# Altium PCB PC104_M7_4L.PcbDoc (part 1 of 3) (continued)
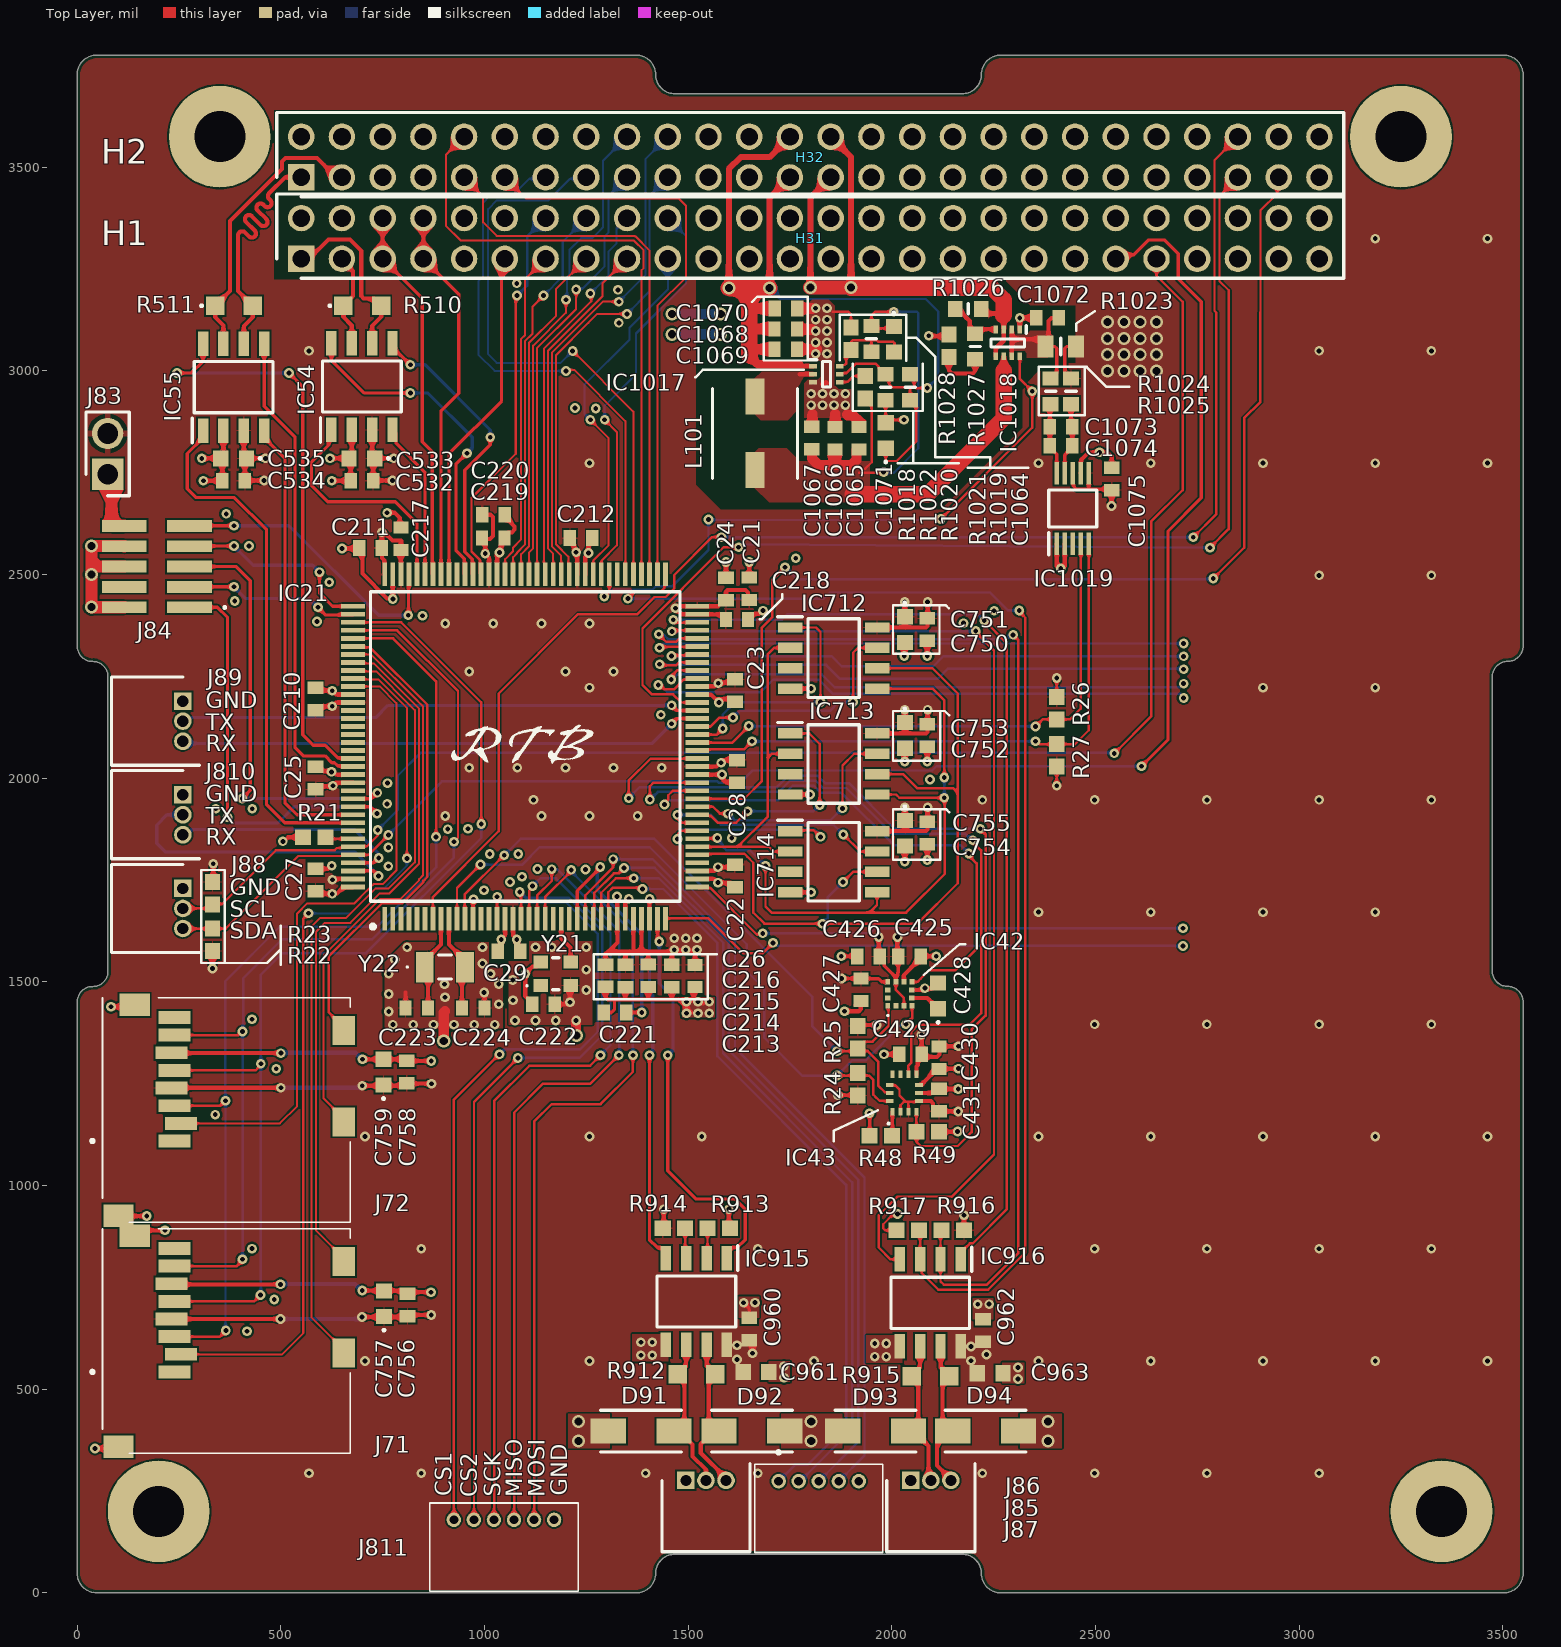
[diagram p0: Top Layer view]
## Components (designator, comment, footprint, x,y, rotation, side; value= is the part's Value field where it differs from the comment) (continued)
C1071 "0.01uF" C0603 1985.24,2841.54 r90 top (schematic designator C71)
C1072 "100nF" CAPC1608X95N 2382.87,3130.91 r180 top (schematic designator C72)
C1073 "100nF" CAPC1608X95N 2415.68,2863.03 r0 top locked (schematic designator C73)
C1074 "100nF" CAPC1608X95N 2415.68,2816.03 r0 top locked (schematic designator C74)
C1075 "100nF" CAPC1608X95N 2540,2735 r270 top locked (schematic designator C75)
D91 "SMAJ30CA" DIONM5026X229N 1384.54,397 r0 top (schematic designator D1)
D92 "SMAJ30CA" DIONM5026X229N 1656.75,397 r180 top (schematic designator D2)
D93 "SMAJ30CA" DIONM5026X229N 1960.25,397 r0 top (schematic designator D3)
D94 "SMAJ30CA" DIONM5026X229N 2230.25,397 r180 top (schematic designator D4)
H31 "ESQ-126-39-G-D-001" RHDR52W64P254_2X26_6654X495X1135P 550,3275.2 r0 top locked (schematic designator H1)
H32 "ESQ-126-39-G-D-001" RHDR52W64P254_2X26_6654X495X1135P 550,3475.2 r0 top locked (schematic designator H2)
IC21 "STM32H753ZIT6" QFP50P2200X2200X160-144N 1099.76,2077.68 r90 top locked (schematic designator IC1)
IC42 "IIS2MDCTR" IIS2MDCTR 2019.84,1470.47 r90 top (schematic designator IC2)
IC43 "ASM330LHHTR" LGA-14(2.5X3X0.86) 2031,1227 r90 top (schematic designator IC3)
IC54 "TCAN337GDR" SOIC127P600X175-8N 699.06,2961.82 r90 top locked (schematic designator IC4)
IC55 "TCAN337GDR" SOIC127P600X175-8N 384.06,2960.31 r90 top locked (schematic designator IC5)
IC712 "MB85RS1MTPNF-G-JNERE1" SOIC127P600X175-8N 1857,2295 r0 top locked (schematic designator IC12)
IC713 "MB85RS1MTPNF-G-JNERE1" SOIC127P600X175-8N 1857,2035 r0 top locked (schematic designator IC13)
IC714 "MB85RS1MTPNF-G-JNERE1" SOIC127P600X175-8N 1857,1795 r0 top locked (schematic designator IC14)
IC915 "THVD2450DR" SOIC127P600X175-8N 1520.25,715.15 r270 top (schematic designator IC15)
IC916 "THVD2450DR" SOIC127P600X175-8N 2094.62,712 r270 top (schematic designator IC16)
IC1017 "TPS564252DRLR" SOTFL50P160X60-6N 1839.62,2991.95 r0 top locked (schematic designator IC17)
IC1018 "TPS2117DRLR" SOTFL50P160X60-8N 2284.74,3068.84 r270 top locked (schematic designator IC18)
IC1019 "INA237AQDGSRQ1" SOP50P490X110-10N 2444.37,2662.39 r90 top locked (schematic designator IC19)
J71 "MEM2061-01-188-00-A" MEM20610118800A 239.17,845.45 r270 top locked (schematic designator J1)
J72 "MEM2061-01-188-00-A" MEM20610118800A 239.17,1412.45 r270 top locked (schematic designator J2)
J83 "61300211121" HDRV2W110P0X254_1X2_508X254X854P 74.8,2746.46 r90 top (schematic designator J3)
J84 "FTSH-105-01-L-DV-K" FTSH10501LDVK 275.59,2519.68 r90 top (schematic designator J4)
J85 "0530480560" 530480510 1722.15,274 r180 top (schematic designator J5)
J86 "53048-0360" SHDRRA3W35P0X125_1X3_550X550X350P 1494.57,276 r180 top (schematic designator J6)
J87 "53048-0360" SHDRRA3W35P0X125_1X3_550X550X350P 2046.79,276 r180 top (schematic designator J7)
J88 "53048-0360" SHDRRA3W35P0X125_1X3_550X550X350P 259.24,1729.44 r90 top (schematic designator J8)
J89 "53048-0360" SHDRRA3W35P0X125_1X3_550X550X350P 259.24,2189.21 r90 top (schematic designator J9)
J810 "53048-0360" SHDRRA3W35P0X125_1X3_550X550X350P 259.24,1959.57 r90 top (schematic designator J10)
J811 "53048-0610" 530480610 924.79,179.13 r180 top (schematic designator J11)
L101 "3.3uH" INDPM5653X430N 1663.95,2846.84 r270 top locked (schematic designator L1)
R21 "10K" RESC1508X50N 582.44,1855 r180 top (schematic designator R1)
R22 "10K" RESC1508X50N 332,1603 r90 top (schematic designator R2)
R23 "10K" RESC1508X50N 332,1718 r270 top (schematic designator R3)
R24 "10K" RESC1508X50N 1916.44,1249 r90 top (schematic designator R4)
R25 "10K" RESC1508X50N 1916.44,1364 r270 top (schematic designator R5)
R26 "10K" RESC1508X50N 2405,2172 r270 top (schematic designator R6)
R27 "10K" RESC1508X50N 2405,2056 r90 top (schematic designator R7)
R48 "10K" RESC1508X50N 1973.43,1122.05 r180 top (schematic designator R8)
R49 "10K" RESC1508X50N 2088.56,1132 r0 top (schematic designator R9)
R510 "120R" ERA6VK 700,3160 r0 top locked (schematic designator R10)
R511 "120R" ERA6VK 385,3160 r0 top locked (schematic designator R11)
R912 "120R" ERA6VK 1520.25,537 r180 top (schematic designator R12)
R913 "10K" RESC1508X50N 1575.06,895 r0 top (schematic designator R13)
R914 "10K" RESC1508X50N 1465.25,895 r180 top (schematic designator R14)
R915 "120R" ERA6VK 2095,532 r180 top (schematic designator R15)
R916 "10K" RESC1508X50N 2149.62,890 r0 top (schematic designator R16)
R917 "10K" RESC1508X50N 2039.62,890 r180 top (schematic designator R17)
R1018 "10K" RESC1508X50N 1935,2960 r90 top locked (schematic designator R18)
R1019 "45.3k" RESC1608X55N 1949.82,3078.84 r270 top locked (schematic designator R19)
R1020 "20k" RESC1608X55N 2045,2960 r270 top locked (schematic designator R20)
R1021 "10K" RESC1508X50N 1899.93,3078.84 r90 top locked (schematic designator R21)
R1022 "20k" RESC1608X55N 1985,2960 r270 top locked (schematic designator R22)
R1023 "1m" RESC2012X80N 2415,3060 r180 top locked (schematic designator R23)
R1024 "10R" RESC1608X55N 2390,2950 r90 top locked (schematic designator R24)
R1025 "10R" RESC1608X55N 2440,2950 r90 top locked (schematic designator R25)
R1026 "45.3k" RESC1608X55N 2187.71,3152.43 r180 top (schematic designator R26)
R1027 "20k" RESC1608X55N 2204.74,3059.84 r90 top locked (schematic designator R27)
R1028 "10K" RESC1508X50N 2140.31,3061.81 r270 top (schematic designator R28)
Y21 "ECS-TXO-2520-33-160-AN-TR" ECSTXO252033160ANTR 1175,1520 r0 top (schematic designator Y1)
Y22 "CM315D32768HZFT" CM315D32768HZFT 902.91,1536.44 r0 top (schematic designator Y2)

## Footprints (in the part's own frame and the unit in brackets; to place one, negate y for a bottom-side part, rotate by r counter-clockwise, add the part's x,y. Pads: shape width x height; smd on the part's side, far side on the other; paste and mask are expansions set on the pad)
530480510 [mm]
  round 0.9 hole 0.55: 1(0,0) 2(-1.25,0) 3(-2.5,0) 4(-3.75,0) 5(-5,0)
  silkscreen extent -6.5,-1.9 1.5,4.45, body extent -6.5,-1.04 1.5,4.45, height 3.33
530480610 [mm]
  round 0.9 hole 0.55: 1(0,0) 2(-1.25,0) 3(-2.5,0) 4(-3.75,0) 5(-5,0) 6(-6.25,0)
  silkscreen extent -7.75,-1.05 1.5,4.45, body extent -7.74,-1.07 1.51,4.43, height 3.27
C0603 [mm]
  rect 0.95x1 smd: 1(-0.8,0) 2(0.8,0)
  silkscreen extent -1.7,-0.05 -1.6,0.05, body extent -0.87,-0.48 0.88,0.47, height 0.95
CAPC1608X90N [mm]
  rect 0.75x0.94 smd: 1(-0.7,0) 2(0.7,0)
  body extent -0.8,-0.45 0.8,0.45, height 0.8
CAPC1608X95N [mm]
  rect 0.78x0.98 smd: 1(-0.7,0) 2(0.7,0)
  body extent -0.87,-0.48 0.88,0.47, height 0.87
CM315D32768HZFT [mm]
  rect 1.1x1.9 smd: 1(-1.25,0) 2(1.25,0)
  silkscreen extent -2.4,-0.75 0.4,0.75
DIONM5026X229N [mm]
  rect 2.2x1.55 smd: 1(-2.05,0) 2(2.05,0)
  silkscreen extent -2.52,-1.3 2.52,1.3, body extent -2.52,-1.3 2.52,1.3, height 2.29
ECSTXO252033160ANTR [mm]
  rect 0.9x0.8 smd: 1(-0.925,-0.725) 2(0.925,-0.725) 3(0.925,0.725) 4(-0.925,0.725)
  silkscreen extent -1.85,-1 0.2,1, body extent -1.3,-1.04 1.3,1.04, height 1.1
ERA6VK [mm]
  rect 1.15x1.15 smd: 1(-1.175,0) 2(1.175,0)
  silkscreen extent -2.07,-0.05 -1.97,0.05, body extent -1,-0.63 1,0.63, height 0.56
FTSH10501LDVK [mm]
  rect 0.74x2.79 smd: 1(-2.54,0) 2(-2.54,4.07) 3(-1.27,0) 4(-1.27,4.07) 5(0,0) 6(0,4.07) 7(1.27,0) 8(1.27,4.07) 9(2.54,0) 10(2.54,4.07)
  silkscreen extent -2.6,-2.25 -2.5,-2.15, body extent -3.18,-0.92 3.17,4.93, height 6.13
HDRV2W110P0X254_1X2_508X254X854P [mm]
  rect 1.95x1.95 hole 1.3: 1(0,0)
  round 1.95 hole 1.3: 2(2.54,0)
  silkscreen extent -1.35,-1.34 3.89,1.35, body extent -1.27,-1.27 3.81,1.27, height 8.54
IIS2MDCTR [mm]
  rect 0.35x0.3 smd: 1(-0.75,0.75) 2(-0.75,0.25) 3(-0.75,-0.25) 4(-0.75,-0.75) 7(0.75,-0.75) 8(0.75,-0.25) 9(0.75,0.25) 10(0.75,0.75)
  rect 0.3x0.35 smd: 5(-0.25,-0.75) 6(0.25,-0.75) 11(0.25,0.75) 12(-0.25,0.75)
  silkscreen extent -1.4,0.7 -1.3,0.8, body extent -1,-1 1,1, height 0.7
INDPM5653X430N [mm]
  rect 2.25x1.2 smd: 1(-2.3,0) 2(2.3,0)
  silkscreen extent -2.8,-2.65 2.8,2.65, body extent -2.8,-2.65 2.8,2.65, height 4.3
LGA-14(2.5X3X0.86) [mm]
  rect 0.475x0.25 smd: 1(-1.163,0.75) 2(-1.163,0.25) 3(-1.163,-0.25) 4(-1.163,-0.75) 8(1.162,-0.75) 9(1.162,-0.25) 10(1.162,0.25) 11(1.162,0.75)
  rect 0.25x0.475 smd: 5(-0.5,-0.913) 6(0,-0.913) 7(0.5,-0.913) 12(0.5,0.912) 13(0,0.912) 14(-0.5,0.912)
  silkscreen extent -1.93,0.95 -1.88,1.01, body extent -1.5,-1.25 1.5,1.25, height 0.86
MEM20610118800A [mm]
  rect 1.8x1.4 smd: CD1(6.51,10.55) CD2(0.81,10.55)
  rect 1.4x1.9 smd: G1(12.36,-3.5) G2(-0.79,-2.5)
  rect 0.8x2 smd: P1(7.7,0) P2(6.6,0.4) P3(5.5,0) P4(4.4,-0.2) P5(3.3,0) P6(2.2,-0.2) P7(1.1,0) P8(0,0)
  silkscreen extent -1.24,-5.23 12.76,10.95, body extent -1.32,-4.61 12.88,10.84, height 1.95
QFP50P2200X2200X160-144N [mm]
  rect 1.475x0.3 smd: 1(-10.738,8.75) 2(-10.738,8.25) 3(-10.738,7.75) 4(-10.738,7.25) 5(-10.738,6.75) 6(-10.738,6.25) 7(-10.738,5.75) 8(-10.738,5.25) 9(-10.738,4.75) 10(-10.738,4.25) 11(-10.738,3.75) 12(-10.738,3.25) 13(-10.738,2.75) 14(-10.738,2.25) 15(-10.738,1.75) 16(-10.738,1.25) 17(-10.738,0.75) 18(-10.738,0.25) 19(-10.738,-0.25) 20(-10.738,-0.75) 21(-10.738,-1.25) 22(-10.738,-1.75) 23(-10.738,-2.25) 24(-10.738,-2.75) 25(-10.738,-3.25) 26(-10.738,-3.75) 27(-10.738,-4.25) 28(-10.738,-4.75) 29(-10.738,-5.25) 30(-10.738,-5.75) 31(-10.738,-6.25) 32(-10.738,-6.75) 33(-10.738,-7.25) 34(-10.738,-7.75) 35(-10.738,-8.25) 36(-10.738,-8.75) 73(10.738,-8.75) 74(10.738,-8.25) 75(10.738,-7.75) 76(10.738,-7.25) 77(10.738,-6.75) 78(10.738,-6.25) 79(10.738,-5.75) 80(10.738,-5.25) 81(10.738,-4.75) 82(10.738,-4.25) 83(10.738,-3.75) 84(10.738,-3.25) 85(10.738,-2.75) 86(10.738,-2.25) 87(10.738,-1.75) 88(10.738,-1.25) 89(10.738,-0.75) 90(10.738,-0.25) 91(10.738,0.25) 92(10.738,0.75) 93(10.738,1.25) 94(10.738,1.75) 95(10.738,2.25) 96(10.738,2.75) 97(10.738,3.25) 98(10.738,3.75) 99(10.738,4.25) 100(10.738,4.75) 101(10.738,5.25) 102(10.738,5.75) 103(10.738,6.25) 104(10.738,6.75) 105(10.738,7.25) 106(10.738,7.75) 107(10.738,8.25) 108(10.738,8.75)
  rect 0.3x1.475 smd: 37(-8.75,-10.738) 38(-8.25,-10.738) 39(-7.75,-10.738) 40(-7.25,-10.738) 41(-6.75,-10.738) 42(-6.25,-10.738) 43(-5.75,-10.738) 44(-5.25,-10.738) 45(-4.75,-10.738) 46(-4.25,-10.738) 47(-3.75,-10.738) 48(-3.25,-10.738) 49(-2.75,-10.738) 50(-2.25,-10.738) 51(-1.75,-10.738) 52(-1.25,-10.738) 53(-0.75,-10.738) 54(-0.25,-10.738) 55(0.25,-10.738) 56(0.75,-10.738) 57(1.25,-10.738) 58(1.75,-10.738) 59(2.25,-10.738) 60(2.75,-10.738) 61(3.25,-10.738) 62(3.75,-10.738) 63(4.25,-10.738) 64(4.75,-10.738) 65(5.25,-10.738) 66(5.75,-10.738) 67(6.25,-10.738) 68(6.75,-10.738) 69(7.25,-10.738) 70(7.75,-10.738) 71(8.25,-10.738) 72(8.75,-10.738) 109(8.75,10.738) 110(8.25,10.738) 111(7.75,10.738) 112(7.25,10.738) 113(6.75,10.738) 114(6.25,10.738) 115(5.75,10.738) 116(5.25,10.738) 117(4.75,10.738) 118(4.25,10.738) 119(3.75,10.738) 120(3.25,10.738) 121(2.75,10.738) 122(2.25,10.738) 123(1.75,10.738) 124(1.25,10.738) 125(0.75,10.738) 126(0.25,10.738) 127(-0.25,10.738) 128(-0.75,10.738) 129(-1.25,10.738) 130(-1.75,10.738) 131(-2.25,10.738) 132(-2.75,10.738) 133(-3.25,10.738) 134(-3.75,10.738) 135(-4.25,10.738) 136(-4.75,10.738) 137(-5.25,10.738) 138(-5.75,10.738) 139(-6.25,10.738) 140(-6.75,10.738) 141(-7.25,10.738) 142(-7.75,10.738) 143(-8.25,10.738) 144(-8.75,10.738)
  silkscreen extent -11.35,-9.65 9.65,9.65, body extent -11,-11 11,11, height 1.6
RESC1508X50N [mm]
  rect 1x0.95 smd: 1(-0.7,0) 2(0.7,0)
  body extent -0.75,-0.4 0.75,0.4, height 0.4
RESC1608X55N [mm]
  rect 0.9x1 smd: 1(-0.8,0) 2(0.8,0)
  silkscreen extent 0,-0.32 0,0.32, body extent -0.8,-0.4 0.8,0.4, height 0.45
RESC2012X80N [mm]
  rect 1x1.4 smd: 1(-0.95,0) 2(0.95,0)
  silkscreen extent 0,-0.53 0,0.52, body extent -1,-0.63 1,0.63, height 0.8
RHDR52W64P254_2X26_6654X495X1135P [mm]
  rect 1.65x1.65 hole 1.1: 1(0,0)
  round 1.65 hole 1.1: 2(0,2.54) 3(2.54,0) 4(2.54,2.54) 5(5.08,0) 6(5.08,2.54) 7(7.62,0) 8(7.62,2.54) 9(10.16,0) 10(10.16,2.54) 11(12.7,0) 12(12.7,2.54) 13(15.24,0) 14(15.24,2.54) 15(17.78,0) 16(17.78,2.54) 17(20.32,0) 18(20.32,2.54) 19(22.86,0) 20(22.86,2.54) 21(25.4,0) 22(25.4,2.54) 23(27.94,0) 24(27.94,2.54) 25(30.48,0) 26(30.48,2.54) 27(33.02,0) 28(33.02,2.54) 29(35.56,0) 30(35.56,2.54) 31(38.1,0) 32(38.1,2.54) 33(40.64,0) 34(40.64,2.54) 35(43.18,0) 36(43.18,2.54) 37(45.72,0) 38(45.72,2.54) 39(48.26,0) 40(48.26,2.54) 41(50.8,0) 42(50.8,2.54) 43(53.34,0) 44(53.34,2.54) 45(55.88,0) 46(55.88,2.54) 47(58.42,0) 48(58.42,2.54) 49(60.96,0) 50(60.96,2.54) 51(63.5,0) 52(63.5,2.54)
  silkscreen extent -1.52,-1.21 65.02,4.05, body extent -1.52,-1.2 65.02,3.74, height 11.35
SHDRRA3W35P0X125_1X3_550X550X350P [mm]
  rect 1.1x1.1 hole 0.7: 1(0,0)
  round 1.1 hole 0.7: 2(-1.25,0) 3(-2.5,0)
  silkscreen extent -4,-1.05 1.5,4.45, body extent -4,-1.05 1.5,4.44, height 3.32
SOIC127P600X175-8N [mm]
  rect 1.528x0.65 smd: 1(-2.711,1.905) 2(-2.711,0.635) 3(-2.711,-0.635) 4(-2.711,-1.905) 5(2.711,-1.905) 6(2.711,-0.635) 7(2.711,0.635) 8(2.711,1.905)
  silkscreen extent -3.47,-2.45 1.6,2.58, body extent -3.01,-2.45 3.01,2.45, height 1.63
SOP50P490X110-10N [mm]
  rect 1.4x0.3 smd: 1(-2.2,1) 2(-2.2,0.5) 3(-2.2,0) 4(-2.2,-0.5) 5(-2.2,-1) 6(2.2,-1) 7(2.2,-0.5) 8(2.2,0) 9(2.2,0.5) 10(2.2,1)
  silkscreen extent -2.9,-1.5 1.15,1.5, body extent -2.46,-1.5 2.46,1.5, height 1.1
SOTFL50P160X60-6N [mm]
  rect 0.475x0.3 smd: 1(-0.838,0.5) 2(-0.838,0) 3(-0.838,-0.5) 4(0.838,-0.5) 5(0.838,0) 6(0.838,0.5)
  silkscreen extent -1.07,-0.8 0.25,0.9, body extent -0.8,-0.78 0.8,0.82, height 0.6
SOTFL50P160X60-8N [mm]
  rect 0.475x0.3 smd: 1(-0.838,0.75) 2(-0.838,0.25) 3(-0.838,-0.25) 4(-0.838,-0.75) 5(0.838,-0.75) 6(0.838,-0.25) 7(0.838,0.25) 8(0.838,0.75)
  silkscreen extent -1.07,-1.05 0.25,1.15, body extent -0.8,-1.05 0.8,1.05, height 0.6

## Part data
C21: library part CL10A475KP8NNNC, "4.7 µF ±10% 10V Ceramic Capacitor X5R 0603 (1608 Metric)", Manufacturer_Name=SAMSUNG, Mouser Part Number=187-CL10A475KP8NNNC, Arrow Part Number=CL10A475KP8NNNC, Arrow Price/Stock=https://www.arrow.com/en/products/cl10a475kp8nnnc/samsung-electro-mechanics?region=europe, Datasheet Link=https://www.arrow.com/en/products/cl10a475kp8nnnc/samsung-electro-mechanics, Height=0.9mm, Manufacturer_Part_Number=CL10A475KP8NNNC, Mouser Price/Stock=https://www.mouser.co.uk/ProductDetail/Samsung-Electro-Mechanics/CL10A475KP8NNNC?qs=hqM3L16%252BxlfQRmkWsZz5vA%3D%3D
C22 C23 C24 C25 C26 C27 C28 C29 C210 C211 C212 C214 C216 C220 C221 C222 C425 C426 C429 C431 C532 C534 C750 C752 C754 C756 C758 C960 C962 C1067 C1070 C1072 C1073 C1074 C1075: library part C0603C104M4RAC7867, "0.1 µF ±20% 16V Ceramic Capacitor X7R 0603 (1608 Metric)", Manufacturer_Name=KEMET, Mouser Part Number=N/A, Arrow Part Number=C0603C104M4RAC7867, Arrow Price/Stock=https://www.arrow.com/en/products/c0603c104m4rac7867/kemet-corporation?region=europe, Datasheet Link=https://www.arrow.com/en/products/c0603c104m4rac7867/kemet-corporation?region=nac, Height=0.95mm, Manufacturer_Part_Number=C0603C104M4RAC7867, Mouser Price/Stock=https://www.mouser.co.uk/ProductDetail/KEMET/C0603C104M4RAC7867?qs=nAEW9fCjKd%252BI998RVtZhZQ%3D%3D
C213 C215 C219: library part CL10A105KA8NNNC, "1 µF ±10% 25V Ceramic Capacitor X5R 0603 (1608 Metric)", Manufacturer_Name=SAMSUNG, Mouser Part Number=187-CL10A105KA8NNNC, Arrow Part Number=CL10A105KA8NNNC, Arrow Price/Stock=https://www.arrow.com/en/products/cl10a105ka8nnnc/samsung-electro-mechanics?region=europe, Datasheet Link=http://uk.rs-online.com/web/p/products/7664838, Height=0.9mm, Manufacturer_Part_Number=CL10A105KA8NNNC, Mouser Price/Stock=https://www.mouser.co.uk/ProductDetail/Samsung-Electro-Mechanics/CL10A105KA8NNNC?qs=hqM3L16%252BxldY%252BnK4KzDJVg%3D%3D
C217 C218: library part CL10A225KO8NNNC, "2.2 µF ±10% 16V Ceramic Capacitor X5R 0603 (1608 Metric)", Manufacturer_Name=SAMSUNG, Mouser Part Number=187-CL10A225KO8NNNC, Arrow Part Number=CL10A225KO8NNNC, Arrow Price/Stock=https://www.arrow.com/en/products/cl10a225ko8nnnc/samsung-electro-mechanics?region=nac, Datasheet Link=https://lcsc.componentsearchengine.com/Datasheets/2/CL10A225KO8NNNC.pdf, Height=0.9mm, Manufacturer_Part_Number=CL10A225KO8NNNC, Mouser Price/Stock=https://www.mouser.co.uk/ProductDetail/Samsung-Electro-Mechanics/CL10A225KO8NNNC?qs=hqM3L16%252BxlecoJxUp5hKOw%3D%3D
C223 C224: library part GCM1885C2A220FA16D, "22 pF ±1% 100V Ceramic Capacitor C0G, NP0 0603 (1608 Metric)", Manufacturer_Name="Murata Electronics", Datasheet Link=https://www.murata.com/en-global/api/pdfdownloadapi?cate=luCeramicCapacitorsSMD&partno=GCM1885C2A220FA16%23, Height=0.9mm, Manufacturer_Part_Number=GCM1885C2A220FA16D
C427 C430 C1068 C1069: library part GRM188D71A106KA73D, "CAP CER 10UF 10V X7T 0603", Manufacturer_Name="Murata Electronics", Mouser Part Number=81-GRM188D71A106KA3D, Arrow Part Number=GRM188D71A106KA73D, Arrow Price/Stock=https://www.arrow.com/en/products/grm188d71a106ka73d/murata-manufacturing?region=nac, Datasheet Link=https://psearch.en.murata.com/capacitor/product/GRM188D71A106KA73%23.html, Height=0.9mm, Manufacturer_Part_Number=GRM188D71A106KA73D, Mouser Price/Stock=https://www.mouser.co.uk/ProductDetail/Murata-Electronics/GRM188D71A106KA73D?qs=FvQ4nYu%252B2He2GIhYKxXmMQ%3D%3D
C428: library part C0603C224K4RECAUTO, "0.22 µF ±10% 16V Ceramic Capacitor X7R 0603 (1608 Metric)", Manufacturer_Name=KEMET, Mouser Part Number=80-C0603C224K4RECAUT, Arrow Part Number=C0603C224K4RECAUTO, Arrow Price/Stock=https://www.arrow.com/en/products/c0603c224k4recauto/kemet-corporation, Datasheet Link=https://content.kemet.com/datasheets/KEM_C1090_X7R_ESD.pdf, Height=0.87mm, Manufacturer_Part_Number=C0603C224K4RECAUTO, Mouser Price/Stock=https://www.mouser.co.uk/ProductDetail/KEMET/C0603C224K4RECAUTO?qs=MLItCLRbWszB36u3S8vAZQ%3D%3D
C533 C535 C751 C753 C755 C757 C759 C961 C963 C1071: library part C0603C103KMRECAUTO, "10000 pF ±10% 63V Ceramic Capacitor X7R 0603 (1608 Metric)", Manufacturer_Name=KEMET, Mouser Part Number=80-C0603C103KMREAUTO, Arrow Part Number=C0603C103KMRECAUTO, Arrow Price/Stock=https://www.arrow.com/en/products/c0603c103kmrecauto/kemet-corporation?region=nac, Datasheet Link=https://content.kemet.com/datasheets/KEM_C1090_X7R_ESD.pdf, Height=0.87mm, Manufacturer_Part_Number=C0603C103KMRECAUTO, Mouser Price/Stock=https://www.mouser.co.uk/ProductDetail/KEMET/C0603C103KMRECAUTO?qs=u4fy%2FsgLU9P0r6p3bzZgfw%3D%3D
C1064: library part C0603C300F5HACAUTO, "30 pF ±1% 50V Ceramic Capacitor X8R 0603 (1608 Metric)", Manufacturer_Name=KEMET, Mouser Part Number=80-C0603C300F5HAUTO, Datasheet Link=https://content.kemet.com/datasheets/KEM_C1007_X8R_ULTRA_150C_SMD.pdf, Height=0.87mm, Manufacturer_Part_Number=C0603C300F5HACAUTO, Mouser Price/Stock=https://www.mouser.com/Search/Refine.aspx?Keyword=80-C0603C300F5HAUTO
C1065 C1066: library part GRT188R61A226ME13D, "22 µF ±20% 10V Ceramic Capacitor X5R 0603 (1608 Metric)", Manufacturer_Name="Murata Electronics", Mouser Part Number=81-GRT188R61A226ME13, Arrow Part Number=GRT188R61A226ME13D, Arrow Price/Stock=https://www.arrow.com/en/products/grt188r61a226me13d/murata-manufacturing?region=nac, Datasheet Link=https://psearch.en.murata.com/capacitor/product/GRT188R61A226ME13%23.html, Height=0.9mm, Manufacturer_Part_Number=GRT188R61A226ME13D, Mouser Price/Stock=https://www.mouser.co.uk/ProductDetail/Murata-Electronics/GRT188R61A226ME13D?qs=rrS6PyfT74d5NiMXLiYh8Q%3D%3D
D91 D92 D93 D94: "48.4V Clamp 8.3A Ipp Tvs Diode Surface Mount DO-214AC (SMA)", Manufacturer_Name=LITTELFUSE, Mouser Part Number=576-SMAJ30CA, Arrow Part Number=SMAJ30CA, Arrow Price/Stock=https://www.arrow.com/en/products/smaj30ca/littelfuse?region=nac, Datasheet Link=https://www.mouser.se/datasheet/2/240/Littelfuse_TVS_Diode_SMAJ_Datasheet.pdf-540740.pdf, Height=2.29mm, Manufacturer_Part_Number=SMAJ30CA, Mouser Price/Stock=https://www.mouser.co.uk/ProductDetail/Littelfuse/SMAJ30CA?qs=HR2RnyOI4E7JQai5qAA1IA%3D%3D
H31 H32: "52 Position Elevated Socket Connector 0.100\" (2.54mm) Through Hole Gold", Manufacturer_Name=SAMTEC, Mouser Part Number=200-ESQ12639GD001, Datasheet Link=http://suddendocs.samtec.com/catalog_english/esq_th.pdf, Height=11.35mm, Manufacturer_Part_Number=ESQ-126-39-G-D-001, Mouser Price/Stock=https://www.mouser.co.uk/ProductDetail/Samtec/ESQ-126-39-G-D-001?qs=PB6%2FjmICvI2K%2FCIgL4SVbg%3D%3D
IC21: "ARM® Cortex®-M7 STM32H7 Microcontroller IC 32-Bit Single-Core 480MHz 2MB (2M x 8) FLASH 144-LQFP (20x20)", Manufacturer_Name=STMicroelectronics, Mouser Part Number=511-STM32H753ZIT6, Arrow Part Number=STM32H753ZIT6, Arrow Price/Stock=https://www.arrow.com/en/products/stm32h753zit6/stmicroelectronics?region=nac, Datasheet Link=http://www.st.com/content/ccc/resource/technical/document/datasheet/group3/01/21/00/39/12/c9/4c/f1/DM00388325/files/DM00388325.pdf/jcr:content/translations/en.DM00388325.pdf, Height=1.6mm, Manufacturer_Part_Number=STM32H753ZIT6, Mouser Price/Stock=https://www.mouser.co.uk/ProductDetail/STMicroelectronics/STM32H753ZIT6?qs=u4fy%2FsgLU9PzR9vtNNw%2FMw%3D%3D
IC42: "Magnetoresistive Sensor X, Y, Z Axis 12-LGA (2x2)", Manufacturer_Name=STMicroelectronics, Mouser Part Number=511-IIS2MDCTR, Arrow Part Number=IIS2MDCTR, Arrow Price/Stock=https://www.arrow.com/en/products/iis2mdctr/stmicroelectronics?region=nac, Datasheet Link=https://www.st.com/resource/en/datasheet/iis2mdc.pdf, Height=0.7mm, Manufacturer_Part_Number=IIS2MDCTR, Mouser Price/Stock=https://www.mouser.co.uk/ProductDetail/STMicroelectronics/IIS2MDCTR?qs=1mbolxNpo8ems1K%2FRdQzXg%3D%3D